# KiCad board imx8x_eps_leviathan.kicad_pcb (continued)
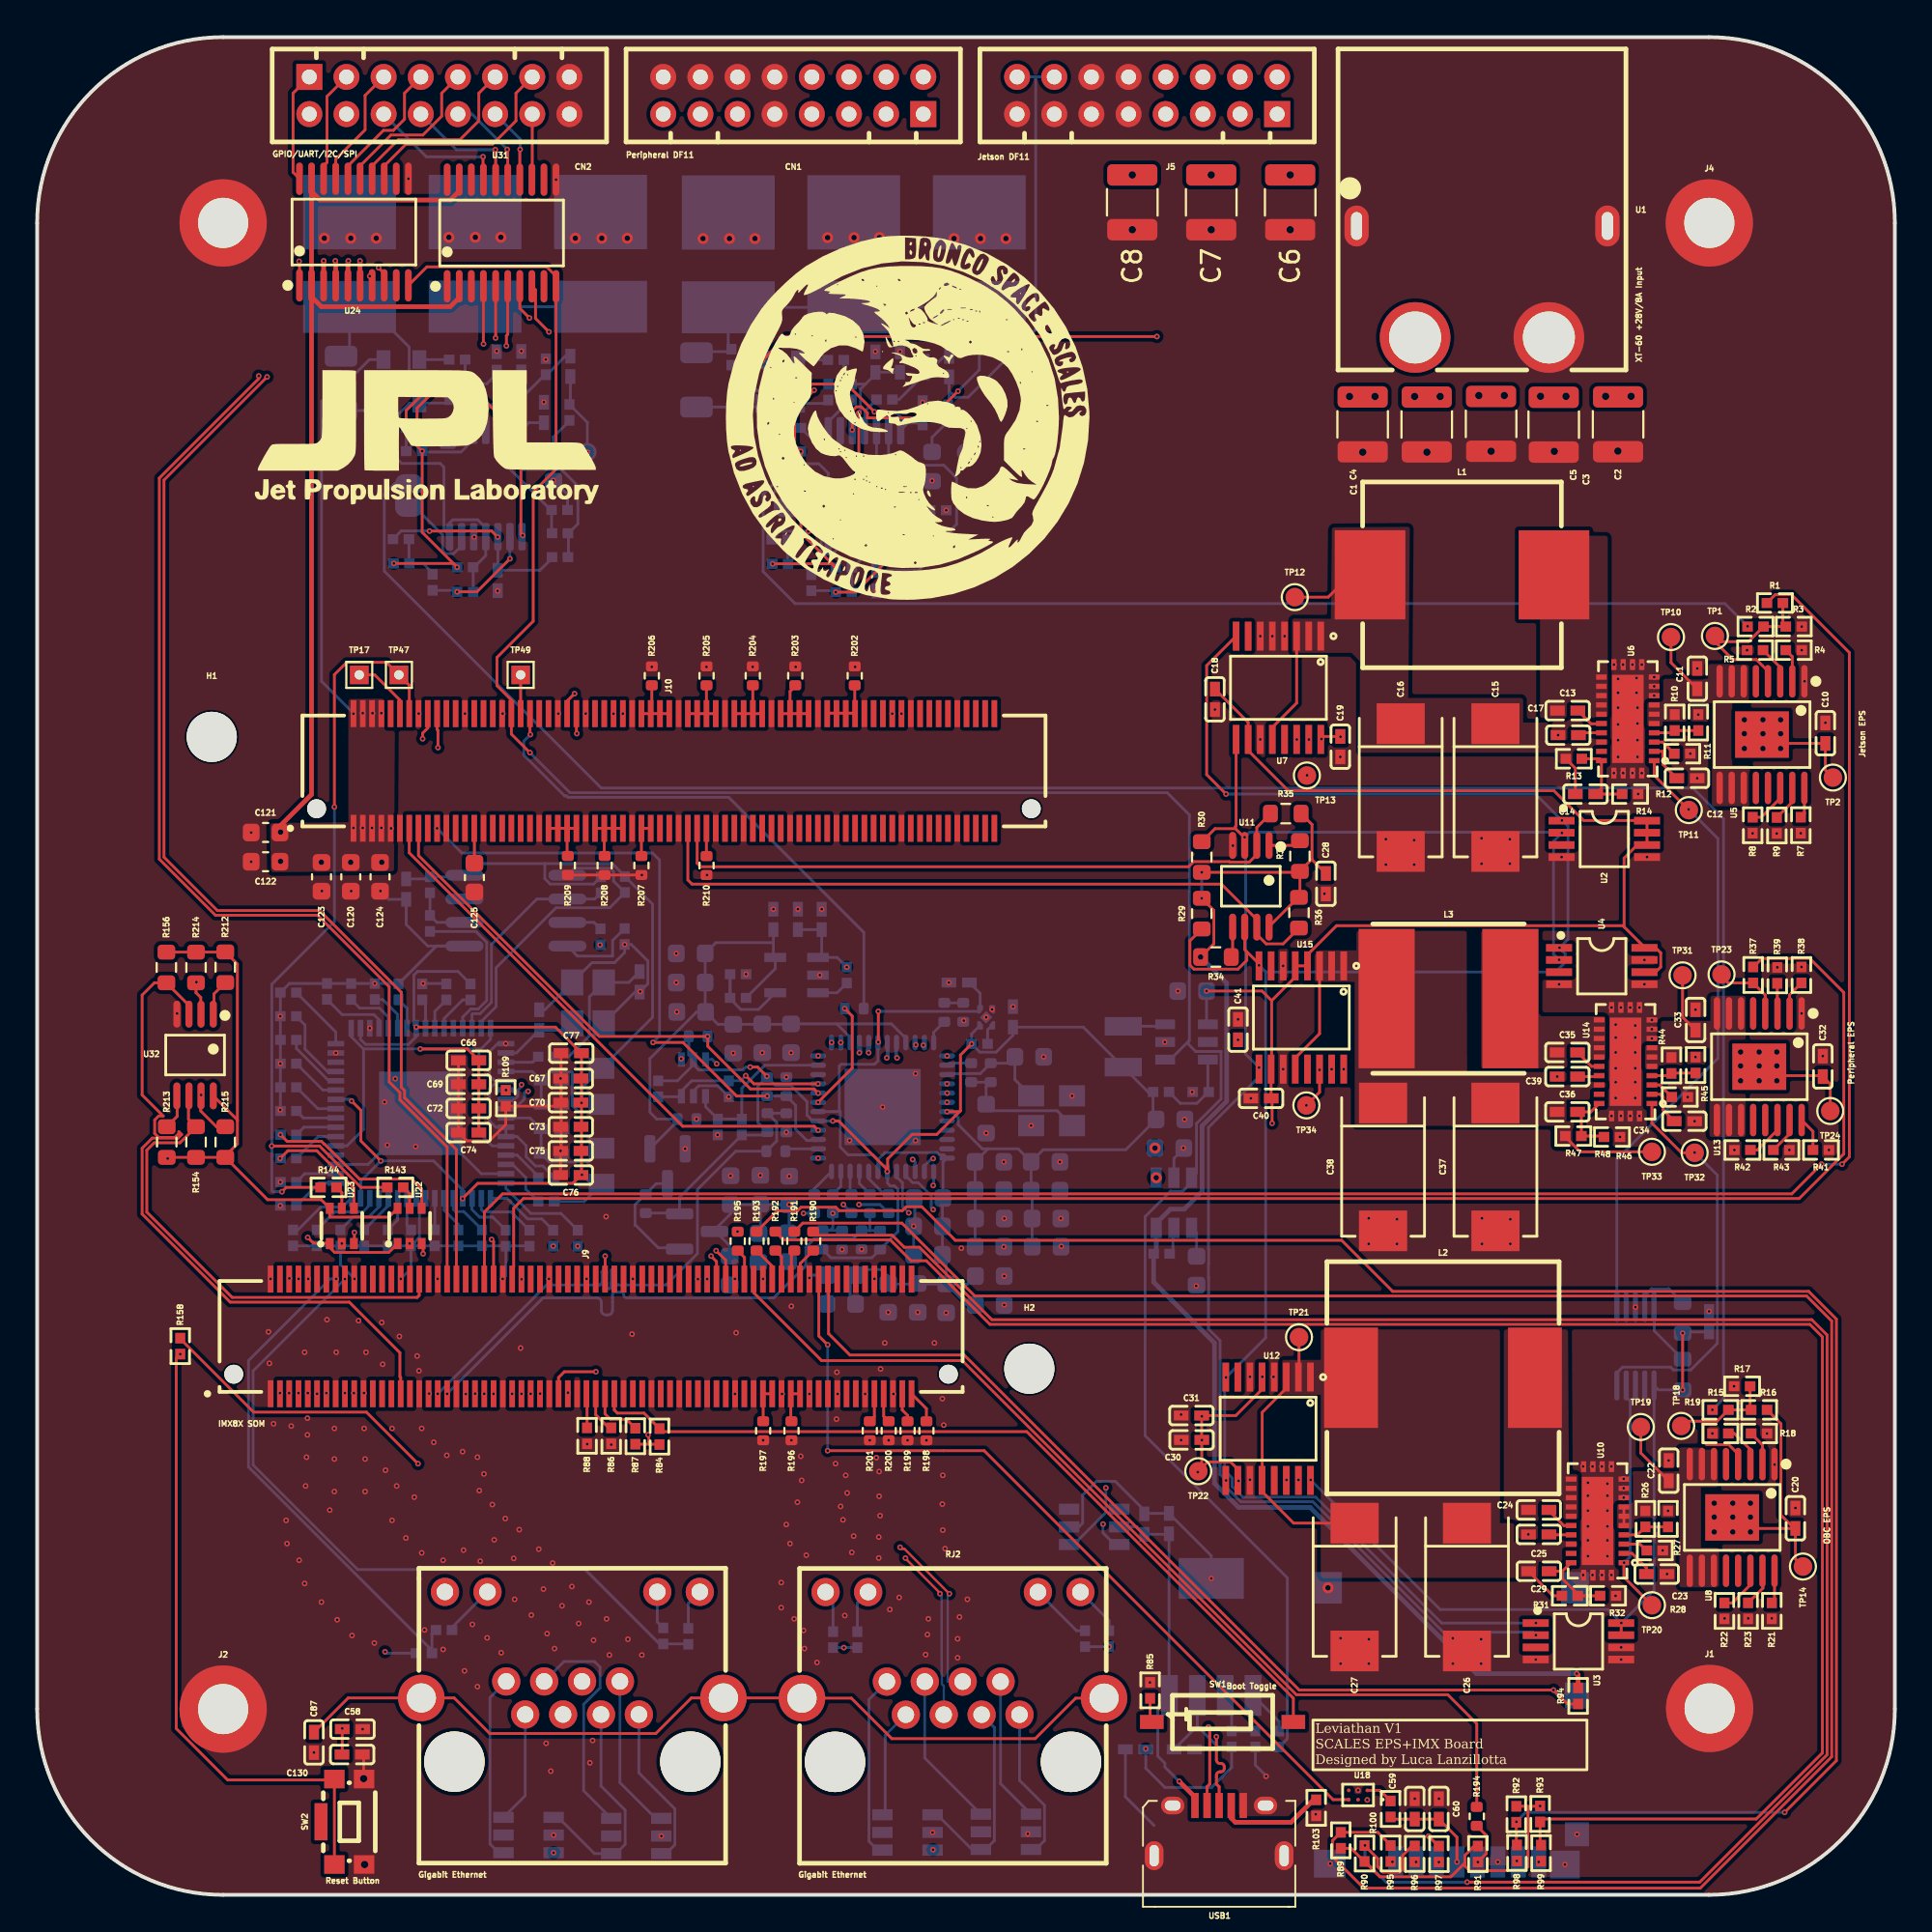
[diagram p0: board, top side]
## Nets (continued)
GND: C1.2 C2.2 C3.2 C4.2 C5.2 C6.2 C7.2 C8.2 C10.2 C11.2 C12.2 C15.2 C16.2 C17.2 C18.2 C19.2 C20.2 C21.2 C22.2 C23.2 C26.2 C27.2 C28.2 C29.2 C30.2 C31.2 C32.2 C33.2 C34.2 C37.2 C38.2 C39.2 C40.2 C41.2 C42.2 C43.2 C44.2 C46.1 C47.1 C48.1 C49.1 C50.2 C51.2 C52.2 C54.1 C55.1 C56.1 C57.1 C58.1 C59.1 C60.1 C61.1 C62.1 C63.1 C64.1 C65.1 C66.1 C67.1 C68.1 C69.1 C70.1 C71.1 C72.1 C73.1 C74.1 C75.1 C76.1 C77.1 C78.1 C79.1 C80.1 C81.1 C82.2 C83.2 C84.2 C85.2 C86.2 C87.2 C88.1 C89.1 C90.2 C91.2 C92.2 C93.2 C94.2 C95.2 C96.2 C97.2 C98.2 C99.2 C100.2 C101.2 C102.2 C103.2 C104.2 C105.2 C106.2 C107.2 C108.2 C109.2 C110.2 C111.2 C112.2 C113.2 C114.2 C115.2 C116.2 C117.2 C118.2 C119.2 C120.2 C121.2 C122.2 C123.2 C124.2 C125.2 C126.2 C127.2 C128.2 C129.2 C130.2 Card1.6 Card1.10 Card1.11 Card1.12 Card1.13 Card1.14 CN1.9 CN1.10 CN1.12 CN1.14 CN1.16 CN2.15 CN2.16 D5.1 D8.1 J1.1 J2.1 J3.1 J4.1 J5.9 J5.10 J5.11 J5.12 J5.13 J5.15 J9.03 J9.06 J9.09 J9.12 J9.13 J9.18 J9.23 J9.24 J9.30 J9.36 J9.39 J9.40 J9.46 J9.49 J9.52 J9.58 J9.61 J9.64 J9.71 J9.74 J9.79 J9.80 J9.89 J9.90 J9.100 J9.103 J9.108 J9.111 J9.120 J9.121 J9.126 J9.131 J9.139 J9.140 J10.09 J10.10 J10.19 J10.22 J10.29 J10.36 J10.39 J10.46 J10.49 J10.56 J10.59 J10.62 J10.69 J10.70 J10.79 J10.80 J10.89 J10.90 J10.95 J10.100 J10.107 J10.112 J10.115 J10.120 J10.125 J10.130 Q2.2 R3.2 R4.1 R5.2 R7.2 R8.2 R9.2 R11.2 R12.2 R14.2 R17.1 R18.1 R19.1 R20.2 R21.2 R22.2 R23.2 R27.2 R28.2 R32.2 R38.1 R39.1 R41.1 R42.1 R43.1 R45.2 R46.2 R48.2 R54.1 R56.1 R72.1 R74.1 R85.1 R86.1 R88.1 R103.1 R105.1 R109.1 R110.1 R115.1 R116.1 R117.1 R118.1 R119.1 R120.1 R121.1 R122.1 R123.1 R124.1 R125.1 R126.1 R127.1 R130.1 R131.1 R132.1 R133.1 R134.1 R135.1 R136.1 R137.1 R138.1 R139.1 R140.1 R141.1 R146.1 R150.2 R153.2 R155.1 R177.2 R180.2 R182.2 R184.2 R187.2 R188.2 R196.1 R197.1 R198.1 R199.1 R200.1 R201.1 R202.1 R203.1 R204.1 R205.1 R206.1 R207.1 R208.1 R209.1 R210.1 SW2.3 SW2.4 TV1.2 TV2.2 TV3.2 TV4.2 TV5.2 U1.1 U1.2 U1.4 U2.4 U2.5 U3.4 U3.5 U3.6 U4.4 U4.5 U4.7 U5.1 U6.8 U6.11 U6.25 U7.4 U7.5 U7.6 U8.1 U9.8 U10.8 U10.11 U10.25 U11.4 U12.4 U12.6 U13.1 U14.8 U14.11 U14.25 U15.6 U16.12 U17.12 U18.B2 U19.5 U20.1 U20.5 U20.10 U20.11 U20.15 U20.25 U20.35 U20.47 U20.51 U20.65 U21.5 U22.2 U23.2 U24.11 U25.49 U26.2 U27.2 U27.5 U28.2 U29.2 U30.2 U31.11 U32.4 USB1.5 USB1.6 Y1.2 Y1.4 Y3.2 Y3.4
GNDPWR: C87.1 RJ1.13 RJ1.14 RJ2.13 RJ2.14
VBUS_DEBUG_USB: C78.2 C79.2 TV1.5 U21.4 USB1.1
VCC_1V8_OUT: J10.127 R143.2 R144.2 TP47.1 U22.1 U23.1
VCC_3V3_OUT: J10.129 TP17.1
VCC_ENET_2V5: C86.1 C91.1 C94.1 C97.1 C100.1 C103.1 C106.1 Q2.1 R157.2 R188.1 U25.3 U25.9 U26.5
VCC_LDO_SD1: J9.33 R89.2 R90.2 R91.2 R92.2 R93.2
VCC_QSPI_1V8: J10.20
VCC_SCU_1V8: J10.93 R84.2 R87.2
VDD_ADC_1V8: C125.1 J10.114
VDD_ETH_1V0: C85.1 C90.1 C93.1 C96.1 C99.1 C102.1 C105.1 C107.1 C109.1 C112.1 C115.1 U25.6 U25.24 U25.31 U25.42 U27.1
+V_Batt: C1.1 C2.1 C3.1 C4.1 C5.1 C10.1 C20.1 C32.1 R16.2 TP2.1 TP14.1 TP24.1 U1.3 U5.17 U8.17 U13.17
/IMX8XQXP SCALES Mariner Carrier Board/Debug USB - UART/DEBUG_USB_DN: TV1.1 U20.7 USB1.2
/IMX8XQXP SCALES Mariner Carrier Board/Debug USB - UART/DEBUG_USB_DP: TV1.6 U20.8 USB1.3
/IMX8XQXP SCALES Mariner Carrier Board/Debug USB - UART/DEBUG_USB_ID: R103.2 USB1.4
/IMX8XQXP SCALES Mariner Carrier Board/Debug USB - UART/FTDI_OSCI: C68.2 U20.2 Y1.3
/IMX8XQXP SCALES Mariner Carrier Board/Debug USB - UART/FTDI_OSCO: C65.2 R111.2 Y1.1
/IMX8XQXP SCALES Mariner Carrier Board/Debug USB - UART/M40_UART0_RX: R128.1 U23.4
/IMX8XQXP SCALES Mariner Carrier Board/Debug USB - UART/M40_UART0_TX: R129.1 U22.4
/SCALES_EPS/Jetson_Subsystem/WD_Jetson/WDT-VIN: R67.2 R68.2 R77.1 R83.1
/SCALES_EPS/Jetson_Subsystem/WD_Jetson/WDT-VP: R71.1 R72.2 U17.5
/SCALES_EPS/OBC_Subsystem/WD_OBC/WDT-VIN: C42.1 C43.1 C44.1 R49.2 R50.2 R59.1 R65.1 U16.3
/SCALES_EPS/OBC_Subsystem/WD_OBC/WDT-VP: R53.1 R54.2 U16.5
ETH1_A_TX_N: RJ2.2 TV4.1 U25.2
ETH1_A_TX_P: RJ2.1 TV4.3 U25.1
ETH1_B_TX_N: RJ2.6 TV4.6 U25.5
ETH1_B_TX_P: RJ2.3 TV4.4 TV5.1 U25.4
ETH1_C_TXCLK_N: RJ2.5 U25.8
ETH1_C_TXCLK_P: RJ2.4 TV5.3 U25.7
ETH1_D_RXDV_N: RJ2.8 TV5.4 U25.11
ETH1_D_RXDV_P: RJ2.7 TV5.6 U25.10
ETH1_LED0: R164.2 R166.2 U28.6
ETH1_LED2: R163.1 R165.1 U28.4
I2C3_USR_SCL: CN2.4 R214.2 U32.2
I2C3_USR_SDA: CN2.2 R215.2 U32.7
LED0_LINK: R152.2 R153.1 U25.47 U28.1
LED2_ACT: R149.2 R150.1 U25.45 U28.3
SCL: R30.2 U2.2 U3.2 U4.2 U7.9 U11.3 U12.9 U15.9
SD1_SPWR: R100.2 U18.B1
SDA: R29.2 U2.1 U3.1 U4.1 U7.8 U11.6 U12.8 U15.8
SYNC_PHASE1: TP20.1 U9.4 U10.1
SYNC_PHASE2: TP32.1 U9.5 U14.1
SYNC_PHASE3: TP11.1 U6.1 U9.6
WD_JETSON: C53.1 J5.14 J5.16 R73.2 TP42.1
X_ADMA_I2C0_SCL: J10.66 R35.2 U11.2
X_ADMA_I2C0_SDA: J10.68 R36.2 U11.7
X_ADMA_I2C3_SCL: J9.112 R156.2 U32.3
X_ADMA_I2C3_SDA: J9.107 R154.2 U32.6
X_ADMA_SPI2_CS0: J9.41 U31.5
X_ADMA_SPI2_CS1: J9.67 U31.4
X_ADMA_SPI2_SCK: J9.43 U31.6
X_ADMA_SPI2_SDI: J9.45 U31.7
X_ADMA_SPI2_SDO: J9.47 U31.8
X_ADMA_UART0_RX: J9.97
X_ADMA_UART0_TX: J9.95
X_ADMA_UART2_RX: J9.99 U24.7
X_ADMA_UART2_TX: J9.101 U24.8
X_BOOT_MODE0: J9.66 R84.1 SW1.2
X_BOOT_MODE1: J9.68 R87.1
X_BOOT_MODE2: J9.70 R86.2
X_BOOT_MODE3: J9.72 R88.2
X_CONN_ENET1_REFCLK: J9.106 U25.18
X_CONN_ENET1_RX_CTL: J9.104 R173.2 R186.2 R187.1
X_CONN_ENET1_RXC: J9.86 R174.2
X_CONN_ENET1_RXD0: J9.102 R169.2 R181.2 R182.1
X_CONN_ENET1_RXD1: J9.94 R170.2
X_CONN_ENET1_RXD2: J9.92 R171.2 R179.2 R180.1
X_CONN_ENET1_RXD3: J9.88 R172.2
X_CONN_ENET1_TX_CTL: J9.84 U25.37
X_CONN_ENET1_TXC: J9.78 U25.29
X_CONN_ENET1_TXD0: J9.96 U25.28
X_CONN_ENET1_TXD1: J9.98 U25.27
X_CONN_ENET1_TXD2: J9.76 U25.26
X_CONN_ENET1_TXD3: J9.82 U25.25
X_CONN_ETH0_MDC: J9.135 U25.16
X_CONN_ETH0_MDIO: J9.133 U25.17
X_CONN_USDHC1_CD_B: Card1.9 J9.19 R94.1
X_CONN_USDHC1_CLK: Card1.5 R91.1 R194.1
X_CONN_USDHC1_CMD: R97.2 R195.1
X_CONN_USDHC1_DATA0: R92.1 R98.2 R193.1
X_CONN_USDHC1_DATA1: R93.1 R99.2 R192.1
X_CONN_USDHC1_DATA2: R89.1 R95.2 R191.1
X_CONN_USDHC1_DATA3: R90.1 R96.2 R190.1
X_CONN_USDHC1_RESET_B: J9.21 U18.A3
X_CONN_USDHC1_VSELECT: J9.15
X_ETH0_A_TX_N: J9.136 RJ1.2 TV2.1
X_ETH0_A_TX_P: J9.138 RJ1.1 TV2.3
X_ETH0_B_TX_N: J9.132 RJ1.6 TV2.6
X_ETH0_B_TX_P: J9.134 RJ1.3 TV2.4 TV3.1
X_ETH0_C_TXCLK_N: J9.128 RJ1.5
X_ETH0_C_TXCLK_P: J9.130 RJ1.4 TV3.3
X_ETH0_D_RXDV_N: J9.122 RJ1.8 TV3.4
X_ETH0_D_RXDV_P: J9.124 RJ1.7 TV3.6
X_ETH0_GPIO0: J9.127
X_ETH0_GPIO1: J9.129
X_ETH0_INT: J9.137
X_ETH0_LED0: J9.123 R160.2 R162.2
X_ETH0_LED1: J9.125 R159.1 R161.1
X_ETH1_GPIO0: J10.122 R183.2 R184.1 U25.39
X_ETH1_GPIO1: J10.128 U25.40
X_ETH1_PHY_INT: J10.126 R167.1 U25.44
X_LSIO_GPIO1_IO09: J10.116
X_LSIO_GPIO1_IO10: J10.118
X_LSIO_GPIO1_IO17: J9.85 U24.1
X_LSIO_GPIO1_IO18: J9.87 R37.2
X_LSIO_GPIO1_IO19: J9.93 R1.1
X_LSIO_GPIO1_IO20: C45.1 J9.91 R55.2 TP36.1
X_LSIO_GPIO1_IO25: J10.23 U24.6
X_LSIO_GPIO1_IO26: J10.21 U24.5
X_LSIO_GPIO1_IO29: J10.81 U24.3
X_LSIO_GPIO1_IO30: J10.83 U24.4
X_M40_UART0_RX: J10.121 R113.1 U23.3
X_M40_UART0_TX: J10.123 R114.1 U22.3
X_PGOOD: J10.105 R145.2 U24.10 U29.3 U30.1 U31.10
X_PMIC_EWARN: J10.109
X_PMIC_INT_B: J10.117
X_PMIC_WDI: J10.119
X_POR_B_1V8: J10.101 R189.2
X_POR_B_3V3: J10.103 TP49.1
X_SCU_PMIC_ON_REQ: J10.111
X_SCU_PMIC_STANDBY: J10.113
~{WD_EN_JETSON}: JP2.2 R2.2
~{WD_EN_OBC}: JP1.2 R15.2
~{X_nRESET_IN}: J10.91 R158.2 SW2.1 SW2.2
Net-(C45-Pad2): C45.2 R56.2 R57.2
Net-(C53-Pad2): C53.2 R74.2 R75.2
Net-(C89-Pad2): C89.2 R168.2 R175.1 Y3.3
Net-(Card1-CD/DAT3): Card1.2 R96.1
Net-(Card1-CMD): Card1.3 R97.1
Net-(Card1-DAT0): Card1.7 R98.1
Net-(Card1-DAT1): Card1.8 R99.1
Net-(Card1-DAT2): Card1.1 R95.1
Net-(Card1-VDD): C59.2 C60.2 Card1.4 R100.1
Net-(D4-C): D4.1 R49.1
Net-(D5-A): D5.2 R55.1
Net-(D6-A): D6.2 R62.2
Net-(D6-C): D6.1 R63.2 R64.2 R65.2 U16.11 U16.14
Net-(D7-C): D7.1 R66.1
Net-(D8-A): D8.2 R73.1
Net-(D9-A): D9.2 R80.2
Net-(D9-C): D9.1 R81.2 R82.2 R83.2 U17.11 U17.14
Net-(J9-A13): J9.25 R190.2
Net-(J9-A14): J9.27 R191.2
Net-(J9-A15): J9.29 R192.2
Net-(J9-A16): J9.31 R193.2
Net-(J9-A18): J9.35 R194.2
Net-(J9-A19): J9.37 R195.2
Net-(J9-B1): J9.02 R198.2
Net-(J9-B2): J9.04 R199.2
Net-(J9-B4): J9.08 R200.2
Net-(J9-B5): J9.10 R201.2
Net-(J9-B13): J9.26 J9.28 R196.2
Net-(J9-B16): J9.32 J9.34 R197.2
Net-(J10-C16): J10.31 J10.33 J10.35 J10.37 R202.2
Net-(J10-C21): J10.41 J10.43 J10.45 J10.47 R203.2
Net-(J10-C26): J10.51 J10.53 J10.55 J10.57 R204.2
Net-(J10-C31): J10.61 J10.63 J10.65 J10.67 R205.2
Net-(J10-C36): J10.71 J10.73 J10.75 J10.77 R206.2
Net-(J10-D32): J10.64 R210.2
Net-(J10-D38): J10.76 J10.78 R207.2
Net-(J10-D41): J10.82 J10.84 J10.86 J10.88 R208.2
Net-(J10-D46): J10.92 J10.94 J10.96 J10.98 R209.2
Net-(JP1-A): JP1.1 U16.13
Net-(JP2-A): JP2.1 U17.13
Net-(Q1-D): C113.1 C114.1 C116.1 C117.1 C118.1 C119.1 Q1.3 U25.13 U25.48
Net-(Q1-G): Q1.1 Q2.3 R185.2
Net-(R9-Pad1): R9.1 U5.15
Net-(R23-Pad1): R23.1 U8.15
Net-(R43-Pad2): R43.2 U13.15
Net-(R50-Pad1): R50.1 R51.2 R61.1
Net-(R58-Pad2): R58.2 U16.2
Net-(R60-Pad2): R60.2 U16.1
Net-(R68-Pad1): R68.1 R69.2 R79.1
Net-(R76-Pad2): R76.2 U17.2
Net-(R78-Pad2): R78.2 U17.1
Net-(R85-Pad2): R85.2 SW1.1
Net-(R176-Pad2): R176.2 R177.1
Net-(RJ1-L-): R160.1 RJ1.9
Net-(RJ1-R-): R159.2 RJ1.11
Net-(RJ2-L-): R164.1 RJ2.9
Net-(RJ2-R-): R163.2 RJ2.11
Net-(U5-DIA_EN): R7.1 U5.16
Net-(U5-EN): R1.2 R2.1 R3.1 TP1.1 U5.4
Net-(U5-LATCH): R5.1 U5.3
Net-(U5-SEL1): R8.1 U5.14
Net-(U5-SNS): R4.2 U5.2
Net-(U5-VOUT): C11.1 R10.1 TP10.1 U5.6 U6.5
Net-(U6-BIAS): C14.1 C15.1 C16.1 L1.2 R13.1 TP12.1 U6.22 U7.1 U7.12
Net-(U6-BST): C13.1 U6.20
Net-(U6-EN/UV): R10.2 R11.1 U6.4
Net-(U6-FB): C14.2 R13.2 R14.1 U6.24
Net-(U6-INTVCC): C17.1 U6.21
Net-(U6-RT): R12.1 U6.3
Net-(U6-SW): C13.2 L1.1 U6.15
Net-(U6-TR/SS): C12.1 U6.2
Net-(U8-DIA_EN): R21.1 U8.16
Net-(U8-EN): R15.1 R16.1 R17.2 TP18.1 U8.4
Net-(U8-LATCH): R19.2 U8.3
Net-(U8-SEL1): R22.1 U8.14
Net-(U8-SNS): R18.2 U8.2
Net-(U9-MOD): R24.2 U9.9
Net-(U9-SET): R25.2 U9.10
Net-(U10-BIAS): C25.1 C26.1 C27.1 L2.2 R31.1 TP21.1 U10.22 U12.1 U12.12
Net-(U10-BST): C24.1 U10.20
Net-(U10-EN/UV): R26.2 R27.1 U10.4
Net-(U10-FB): C25.2 R31.2 R32.1 U10.24
Net-(U10-INTVCC): C29.1 U10.21
Net-(U10-RT): R28.1 U10.3
Net-(U10-SW): C24.2 L2.1 U10.15
Net-(U10-TR/SS): C23.1 U10.2
Net-(U10-VIN): C22.1 R26.1 TP19.1 U8.6 U10.5
Net-(U11-EN): R33.2 U11.1
Net-(U11-READY): R34.2 U11.5
Net-(U13-DIA_EN): R41.2 U13.16
Net-(U13-EN): R37.1 TP23.1 U13.4
Net-(U13-LATCH): R39.2 U13.3
Net-(U13-SEL1): R42.2 U13.14
Net-(U13-SNS): R38.2 U13.2
Net-(U13-VOUT): C33.1 R44.1 TP31.1 U13.6 U14.5
Net-(U14-BIAS): C36.1 C37.1 C38.1 L3.2 R47.1 TP33.1 U14.22 U15.1 U15.12
Net-(U14-BST): C35.1 U14.20
Net-(U14-EN/UV): R44.2 R45.1 U14.4
Net-(U14-FB): C36.2 R47.2 R48.1 U14.24
Net-(U14-INTVCC): C39.1 U14.21
Net-(U14-RT): R46.1 U14.3
Net-(U14-SW): C35.2 L3.1 U14.15
Net-(U14-TR/SS): C34.1 U14.2
Net-(U16A--): R57.1 U16.4
Net-(U16B-+): C46.2 R58.1 R59.2 U16.7
Net-(U16B--): R52.1 R53.2 U16.6
Net-(U16C-+): R61.2 R64.1 U16.9
Net-(U16C--): C47.2 C48.2 R60.1 R62.1 R63.1 U16.8
Net-(U16D--): C49.2 R51.1 R52.2 U16.10
Net-(U17A--): R75.1 U17.4
Net-(U17B-+): C54.2 R76.1 R77.2 U17.7
Net-(U17B--): R70.1 R71.2 U17.6
Net-(U17C-+): R79.2 R82.1 U17.9
Net-(U17C--): C55.2 C56.2 R78.1 R80.1 R81.1 U17.8
Net-(U17D--): C57.2 R69.1 R70.2 U17.10
Net-(U17E-V+): C50.1 C51.1 C52.1 R66.2 R67.1 U17.3
Net-(U19-CS): R104.1 U19.1 U20.63
Net-(U19-DI): R102.1 U19.3
Net-(U19-DO): R105.2 U19.4
Net-(U19-ORG): R107.1 R108.2 U19.6
Net-(U19-SK): R106.1 U19.2 U20.62
Net-(U20-ACBUS0): R120.2 U20.26
Net-(U20-ACBUS1): R121.2 U20.27
Net-(U20-ACBUS2): R122.2 U20.28
Net-(U20-ACBUS3): R123.2 U20.29
Net-(U20-ACBUS4): R124.2 U20.30
Net-(U20-ACBUS5): R125.2 U20.32
Net-(U20-ACBUS6): R126.2 U20.33
Net-(U20-ACBUS7): R127.2 U20.34
Net-(U20-ADBUS0): R113.2 U20.16
Net-(U20-ADBUS1): R114.2 U20.17
Net-(U20-ADBUS2): R115.2 U20.18
Net-(U20-ADBUS3): R116.2 U20.19
Net-(U20-ADBUS4): R117.2 U20.21
Net-(U20-ADBUS5): R118.2 U20.22
Net-(U20-ADBUS6): R119.2 U20.23
Net-(U20-BCBUS0): R135.2 U20.48
Net-(U20-BCBUS1): R136.2 U20.52
Net-(U20-BCBUS2): R137.2 U20.53
Net-(U20-BCBUS3): R138.2 U20.54
Net-(U20-BCBUS4): R139.2 U20.55
Net-(U20-BCBUS5): R140.2 U20.57
Net-(U20-BCBUS6): R141.2 U20.58
Net-(U20-BCBUS7): R142.2 U20.59
Net-(U20-BDBUS0): R128.2 U20.38
Net-(U20-BDBUS1): R129.2 U20.39
Net-(U20-BDBUS2): R130.2 U20.40
Net-(U20-BDBUS3): R131.2 U20.41
Net-(U20-BDBUS4): R132.2 U20.43
Net-(U20-BDBUS5): R133.2 U20.44
Net-(U20-BDBUS6): R134.2 U20.45
Net-(U20-EEDATA): R108.1 U20.61
Net-(U20-OSCO): R111.1 U20.3
Net-(U20-REF): R109.2 U20.6
Net-(U20-TEST): R110.2 U20.13
Net-(U20-VPHY): C62.2 C64.2 L5.2 U20.4
Net-(U20-VPLL): C61.2 C63.2 L4.2 U20.9
Net-(U20-~{RESET}): R112.1 U20.14
Net-(U21-ADJ): R146.2 R147.2 U21.2
Net-(U21-EN): R145.1 U21.1
Net-(U22-OE): R143.1 U22.5
Net-(U23-OE): R144.1 U23.5
Net-(U24-B1): CN2.1 U24.20
Net-(U24-B2): CN2.3 U24.18
Net-(U24-B3): CN2.5 U24.17
Net-(U24-B4): CN2.7 U24.16
Net-(U24-B5): CN2.9 U24.15
Net-(U24-B6): CN2.11 U24.14
Net-(U24-B7): CN2.13 U24.13
Net-(U25-RBIAS): R176.1 U25.12
Net-(U25-RESET_N): R189.1 U25.43
Net-(U25-RX_CLK): R174.1 U25.32
Net-(U25-RX_CTRL): R173.1 U25.38
Net-(U25-RX_D0): R169.1 U25.33
Net-(U25-RX_D1): R170.1 U25.34
Net-(U25-RX_D2): R171.1 U25.35
Net-(U25-RX_D3): R172.1 U25.36
Net-(U25-X_I): C88.2 R168.1 U25.15 Y3.1
Net-(U25-X_O): R175.2 U25.14
Net-(U26-ADJ): R155.2 R157.1 U26.4
Net-(U26-EN): R148.2 U26.3
Net-(U27-EN): R151.2 U27.3
Net-(U29-CT): C127.1 U29.4
Net-(U29-QOD): R211.2 U29.5
Net-(U30-FB): R6.2 R20.1 U30.6
Net-(U30-SW): L6.1 U30.3
Net-(U31-B3): CN2.6 U31.17
Net-(U31-B4): CN2.8 U31.16
Net-(U31-B5): CN2.10 U31.15
Net-(U31-B6): CN2.12 U31.14
Net-(U31-B7): CN2.14 U31.13
Net-(U32-EN): R212.2 U32.1
Net-(U32-READY): R213.2 U32.5

Pads without a net: CN1 11 13 15; J9 01 05 07 11 14 16 17 20 22 38 42 44 48 50 51 53 54 55 56 57 59 60 62 63 65 69 73 75 77 81 83 105 109 110 113 114 115 116 117 118 119; J10 01 02 03 04 05 06 07 08 11 12 13 14 15 16 17 18 24 25 26 27 28 30 32 34 38 40 42 44 48 50 52 54 58 60 72 74 85 87 97 99 102 104 106 108 110 124 131; SW2 5; TV1 3 4; TV2 5; TV3 5; TV4 5; TV5 5; U2 3; U3 3; U4 3; U5 5 12 13; U6 23; U7 7 13; U8 5 12 13; U9 2 3 7; U10 23; U12 7 13; U13 5 12 13; U14 23; U15 7 13; U18 A2 B3; U19 7; U20 24 36 46 60; U24 9 12; U25 20 21 22 23 46; U30 5; U31 1 3 9 12 18 20

## Via types
v1: diameter 0.3, hole 0.15, SIG1 to SIG3, 699 vias
v2: diameter 0.6, hole 0.3, SIG1 to SIG3, 54 vias
v3: diameter 0.8, hole 0.4, SIG1 to SIG3, 23 vias

## Routing (per net, layer and track width the routed paths; a pad name or vN(x,y) marks a point on that pad's centre or on a via; arc(x,y) is an arc through that point)
1V8_FTDI: length 28.8
  SIG1 w0.15: v1(20.63,45.53) 23.16,45.53 C66.2 C74.2
  SIG3 w0.15: 17.57,45.53 16.91,46.2 U20.49 ; 17.57,45.53 23.89,45.53 ; 17.57,45.53 17.57,41.21 16.68,40.32 16.08,40.32 ; 23.89,45.53 23.78,45.42 C74.2 24.49,40.32 U20.12 ; 23.89,45.53 24.41,46.05 U20.64
3V3_FTDI: length 155.2
  SIG1 w0.15: v1(18.5,39.51) 17.43,40.58 17.43,42.23 v1(16.93,42.73) ; v1(20.4,46.71) 27.9,46.71 C77.2 v1(29.3,42.63) 29.3,38.77 C76.2 28.83,38.3 23.72,38.3 v1(22.9,37.48)
  SIG2 w0.15: v1(59.68,7.86) 56.28,4.46 41.31,4.46 39.08,6.69 39.08,14.23 30.58,22.73 30.58,24.42 25.7,29.3 25.7,34.68 v1(22.9,37.48)
  SIG3 w0.15: 16.08,42.82 16.84,42.82 v1(16.93,42.73) ; 27.33,55.51 27.33,54.7 27.62,54.41 29.96,54.41 R106.2 ; 27.33,55.51 23.63,55.51 U19.8 22.92,54.8 R107.2 21.03,54.69 C71.2 ; 27.33,55.51 30.96,55.51 31.64,54.83 R104.2 33.13,53.33 33.13,47.24 L5.1 29.3,43.42 v1(29.3,42.63) ; R112.2 29.45,37.32 L4.1 29.83,38.25 v1(29.33,38.76) ; R142.1 22.65,49.71 20.47,49.71 20.28,49.51 20.28,46.83 v1(20.4,46.71) ; U20.56 20.41,46.2 19.99,45.78 17.67,45.78 17.41,46.05 U20.50 ; U20.31 17.43,37.51 17.43,38.43 v1(18.5,39.51) 21.34,39.51 22.91,37.94 U20.20 ; 62.45,9.08 63.58,7.96 R147.1 64.3,6.86 63.23,5.78 60.71,5.78 59.68,6.81 59.68,7.83 ; 62.45,9.08 C81.2 ; 62.45,9.08 62.45,10.73
+1.8V_OBC_Perif: length 86.9
  SIG1 w0.15: v1(45.76,38.94) 45.78,38.96 ; 45.78,38.96 45.78,39.61 47.1,40.93 48.43,40.93 49.7,42.21 ; 45.78,38.96 45.78,39.02 43.14,41.66 v1(42.83,41.66) ; v1(50.3,45.81) 49.7,45.21 49.7,42.21 ; 49.7,42.21 49.65,42.16 v1(48.98,42.16) ; v1(39.28,44.06) 38.78,44.56 v1(38.38,44.56)
  SIG3 w0.15: 51.19,40.16 50.88,40.16 49.58,41.46 49.58,41.84 49.27,42.16 v1(48.98,42.16) ; 51.19,40.16 C101.1 C92.1 ; 51.19,40.16 52.81,40.16 C111.1 ; Q1.2 34.58,37.55 R152.1 39.15,40.9 R186.1 38.8,41.57 38.8,43.52 R183.1 39.74,43.57 40.57,43.57 41.44,42.7 41.44,41.97 41.76,41.66 U25.41 v1(42.83,41.66) ; v1(38.38,44.56) 38.15,44.56 37.99,44.4 35.62,44.4 35.33,44.69 ; U27.4 50.3,46.35 v1(50.3,45.81) 50.75,45.36 51.62,45.36 52.53,46.27 C84.1 56.31,46.71 L6.2 59.8,43.22 R6.1 60.07,41.91 C129.1 58.6,40.11 54.16,40.11 C111.1 ; R149.1 34.46,43.82 35.33,44.69 ; 34.57,36.73 34.55,36.7 R185.1 ; C111.1 C110.1 53.56,37.86 C108.1 53.56,34.9 C104.1 ; R167.2 35.07,45.23 U28.5 35.33,44.69 ; v1(45.76,38.94) 45.78,38.92 45.78,38.3 45.92,38.16 46.15,38.16 46.33,37.99 46.33,35.69 R181.1 44.93,34.29 42.73,34.29 R179.1
+3.3V_OBC: length 214.7
  SIG1 w0.15: v1(62.95,48.65) 65.93,48.65 66.45,48.14 ; U15.4 68.38,50.61 69.95,52.17 85.37,52.17 85.43,52.11 ; U15.10 66.42,42.89 C40.1 ; U12.5 65.93,27.21 64.53,25.8 C31.1 62.68,24.5 C30.1 62.69,22.99 TP22.1 63,23.3 64.24,23.3 64.63,22.91 U12.10 ; 66.45,48.14 67.72,49.41 U15.5 68.4,50.01 68.4,50.01 ; 66.45,48.14 66.45,44.48 ; 86.63,57.83 83.25,57.83 81.65,59.43 67.35,59.43 65.19,61.6 U7.10 65.19,63.12 C18.1 ; v1(88.58,27.18) v1(88.58,30.23) ; 85.43,52.11 85.43,55.81 86.1,56.48 86.6,56.48 ; 85.43,52.11 86.58,50.96 87.15,50.96 87.4,50.71 87.4,49.95 87.11,49.66 86.53,49.66 ; R158.1 7.7,29.93 11.65,25.98 17.73,25.98 v1(20.5,23.21) ; v1(66.48,41.53) 66.48,42.78 66.4,42.86 ; U2.8 U2.6 ; U3.7 U3.8
  SIG1 w0.25: v2(13.1,57.21) 13.1,57.56 14.77,59.23 U24.2 ; U31.19 22.72,91.71 22.24,91.23 15.23,91.23 14.77,91.69 U24.19 U24.2 ; U24.2 14.77,86.01 15.29,85.49 22.24,85.49 22.72,85.97 U31.2
  SIG3 w0.15: 88.61,30.27 88.64,30.3 C21.1 ; v1(62.95,48.65) 62.95,46.84 62.94,46.82 ; v1(68.55,22.33) 75.53,15.36 84.55,15.36 v1(85.28,14.63) 87.04,16.39 U9.1 ; 87.05,27.41 87.28,27.18 v1(88.58,27.18) ; D4.2 17.89,82.64 17.2,81.96 16.87,81.96 15.31,80.39 15.31,65.33 17.05,63.58
  vias: v1(17.03,63.58) v1(17.03,57.43) v1(17.53,63.61) v1(17.53,57.43) v1(18.05,63.61) v1(18.03,57.43) v1(18.53,63.61) v1(18.53,57.43) v1(19.05,57.41) v1(30.3,51.13) v1(62.48,22.76) v1(62.7,25.76) v1(62.7,24.48) v1(64.68,22.28) v1(65.95,27.88) v1(67.25,22.33) v1(67.9,22.33) v2(13.1,55.63) v2(15.3,55.58) v2(16.88,55.58) v2(18.55,55.58) v2(60.18,40.2) v2(60.24,38.6)
+3.3V_OBC_Perif: length 288.5
  SIG1 w0.15: R215.1 12.4,37.42 15.29,37.42 U23.6 15.75,36.51 15.78,36.48 18.93,36.48 U22.6 ; 16.4,7.56 C130.1 16.42,7.57 C58.2 ; R213.1 10.05,39.7 10.78,40.42 10.78,41.66 ; v1(62.69,55.04) 67.92,55.04 R33.1 67.97,53.73 ; U11.8 66.31,52.12 67.92,53.73 ; R35.1 68.63,57.62 68.63,55.76 67.97,55.11 ; v1(62.69,53.64) 63.34,52.99 63.34,51.2 v2(62.63,50.48) ; 10.78,41.66 10.78,41.71 9.47,43.02 ; 10.78,41.66 10.78,50.11 R212.1 ; C28.1 68.63,55.72 ; R156.1 10.18,50.75
  SIG1 w0.25: R94.2 82.95,11.83 v1(82.88,11.91)
  PWR w0.15: 52.25,5.11 53.85,6.71 53.85,16.28 RJ2.10 ; 38.93,10.36 42.44,13.88 RJ2.12 ; 38.93,10.36 38.93,4.93 ; 38.93,10.36 38.93,10.76 RJ1.10
  PWR w0.25: RJ1.12 16.43,10.78 ; 16.43,10.78 v1(16.43,8.96) 20.28,5.11 52.25,5.11 53.53,3.83 70.33,3.83 v1(71.6,5.11) 78.4,11.91 v1(82.88,11.91) ; 16.43,10.78 7.03,20.18 v1(7.03,39.63)
  SIG2 w0.15: v2(62.63,50.48) 62.08,49.94 v1(43.58,49.94)
  SIG3 w0.15: R165.2 42.84,15.9 RJ2.12 ; C83.1 C82.1 42.23,50.66 U26.1 43.06,50.46 v1(43.58,49.94) ; v1(62.69,55.04) v1(62.69,53.64) ; v1(18.73,13.08) 18.8,13.01 R161.2 ; RJ2.10 55.95,14.22 R166.1 ; RJ1.10 33.38,14.69 R162.1
  SIG3 w0.25: v1(82.88,11.91) 77.48,11.91 68.53,20.86 64.67,20.86 63.37,22.16 63.37,29.71 60.1,32.98 R211.1 60.24,34.65 U29.6 60.24,36.15 61,36.91 61.75,36.91 62.71,37.87 62.71,41.4 64.03,42.72 64.03,49.08 v2(62.63,50.48)
+5V_Perif: length 2.2
  SIG1 w0.15: U15.14 v1(69.03,44.41) 69.03,43.21 v1(68.32,42.5)
  vias: v1(64.64,46.03) v1(69.68,44.45) v1(70.33,44.45)
+20V_Jetson: length 22.9
  SIG1 w0.15: v1(60.28,83.88) 40.33,83.88 v1(39.05,82.61) ; C19.1 69.26,62.36 U7.14
  vias: v1(67.81,62.19) v1(68.36,60.27) v1(68.46,62.19) v1(69.13,62.22) v1(70.16,62.34) v3(58.95,92.58) v3(63.2,92.58) v3(67.45,92.58)
GND: length 137.5
  SIG1 w0.15: v3(17.58,6.26) 17.58,7.45 17.53,7.5 ; C66.1 C74.1 23.12,40.59 24.35,40.59 25.23,41.47 25.23,42.45 27.98,42.45 C70.1 ; C77.1 28.2,40.07 v1(28.18,40.05) C76.1 ; R209.1 30.55,54.9 ; R208.1 R207.1
  SIG3 w0.15: v1(63.2,17.03) 63.2,18.26 C78.1 59.63,20.53 C79.1 59.6,20.69 58.04,22.26 57.02,22.26 56.28,21.52 56.28,20.01 56.08,19.81 TV1.2 ; C80.1 58.58,5.28 60.13,3.73 ; R141.1 22,49.06 v1(20.78,49.06) ; Y1.2 32.18,48.6 C65.1 v1(32.46,48.63) 32.88,49.04 32.88,50.27 31.98,51.16 v1(31.63,51.16) 31.63,50.73 31.08,50.18 29.87,50.18 Y1.4 27.33,47.65 C68.1 ; U20.5 24.64,43.82 24.35,44.11 24.35,45.39 24.78,45.82 v1(25.23,45.82) U20.1 25.24,45.86 ; C115.2 42.53,31.83 C112.2 41.72,33.36 v1(41.57,33.21) ; v1(18.48,54.03) 18.93,53.59 C71.1 19.87,52.23 21.02,51.08 U19.5 21.49,51.08 R139.1 19.43,49.06 v1(18.18,49.06) R136.1 13.58,49.06 R135.1 13.09,42.2 ; U28.2 35.35,43.01 35.35,43.29 35.62,43.55 36.64,43.55 v1(37.23,42.96) ; v1(25.06,33.16) 25.23,33.32 R116.1 ; v1(27.79,76.14) 28.55,75.38 R54.1 ; C62.1 C61.1 ; 13.09,42.2 R130.1 ; 13.09,42.2 v1(13.09,42.26) ; v1(20.38,40.28) 22.44,40.28 23.91,38.82 U20.15 ; 16.08,39.32 17.81,39.32 v1(18.85,40.36) ; U20.25 20.58,37.32 20.58,35.39 R120.1 20.13,33.71 v1(19.57,33.16) ; R125.1 26.49,34.94 R115.1 ; 61.75,40.2 61.19,39.64 U29.2 ; 66.13,6.43 65.58,6.98 R146.1 ; v1(17.09,33.16) 16.33,33.92 R123.1 ; 27.84,38.62 27.22,39.23 26.82,39.23 26.33,39.73 26.33,40.33 25.84,40.82 U20.11 U20.10 24.69,41.32 24.35,41.66 24.35,43.39 24.78,43.82 ; C105.2 47.24,37.47 47.24,36.05 v1(47.18,35.99) C109.2
  SIG3 w0.25: Card1.14 83.22,16.97 v1(83.22,17.22)
  vias: v1(7.54,47.44) v1(11.52,57.18) v1(11.52,55.61) v1(12.45,30.31) v1(12.56,33.16) v1(12.5,28.61) v1(12.73,25.36) v1(13.09,47.3) v1(13.1,44.75) v1(13.1,38.37) v1(13.09,37.1) v1(13.4,20.16) v1(13.45,18.91) v1(13.68,25.23) v1(14.1,18.01) v1(14.4,29.21) v1(14.4,16.76) v1(14.45,22.01) v1(14.6,33.16) v1(14.55,25.66) v1(14.55,24.76) v1(14.5,23.56) v1(14.9,7.66) v1(15.33,54.03) v1(15.3,15.76) v1(15.6,30.96) v1(15.75,20.71) v1(16.08,45.32) v1(16,25.11) v1(16,23.46) v1(16,21.71) v1(16.1,29.21) v1(16.15,14.81) v1(16.4,35.06) v1(16.91,54.03) v1(16.95,13.96) v1(17.3,30.91) v1(17.59,27.01) v1(17.6,25.11) v1(17.52,8.92) v1(17.7,29.21) v1(17.65,23.46) v1(17.65,21.71) v1(17.91,46.65) v1(18.15,13.56) v1(18.55,30.81) v1(18.6,28.56) v1(18.7,42.68) v1(18.75,22.86) v1(19.1,25.11) v1(19.1,20.16) v1(19.28,43.93) v1(19.35,22.01) v1(19.5,30.06) v1(19.85,19.21) v1(19.98,92.38) v1(20.05,35.06) v1(20.3,21.41) v1(20.45,29.01) v1(20.54,63.59) v1(20.55,28.21) v1(20.55,17.01) v1(20.7,25.11) v1(20.7,18.41) v1(20.85,14.26) v1(21.35,24.36) v1(21.56,33.16) v1(21.85,18.01) v1(21.85,13.21) v1(22.05,23.66) v1(22.9,23.86) v1(22.95,18.56) v1(23.03,63.59) v1(23,12.06) v1(23.43,14.56) v1(23.52,73.09) v1(23.7,23.56) v1(23.7,11.21) v1(23.8,21.76) v1(23.85,17.96) v1(24.05,22.66) v1(24.23,13.83) v1(24.5,21.01) v1(24.6,19.11) v1(24.74,83.1) v1(24.79,70.2) v1(24.98,13.03) v1(25.06,63.59) v1(25.2,20.26) v1(25.65,18.11) v1(25.7,15.91) v1(25.95,19.66) v1(26.06,83.1) v1(26.03,29.43) v1(26.6,15.06) v1(27,18.61) v1(27.28,80.36) v1(27.25,16.46) v1(27.38,82.64) v1(27.4,8.16) v1(27.45,14.06) v1(27.55,33.16) v1(27.65,6.66) v1(27.75,17.86) v1(27.85,13.26) v1(27.8,3.22) v1(27.93,92.33) v1(28.06,63.59) v1(28.18,43.95) v1(28.25,15.56) v1(28.79,16.6) v1(29.15,14.61) v1(29.53,63.59) v1(29.58,33.16) v1(29.61,24.26) v1(29.7,15.76) v1(29.75,7.11) v1(29.9,8.31) v1(29.95,13.71) v1(30.63,36.51) v1(30.65,14.86) v1(30.8,12.91) v1(30.9,24.23) v1(31.8,13.76) v1(32.07,33.16) v1(32.03,30.18) v1(32.55,54.9) v1(32.55,12.91) v1(33.08,66.1) v1(33.6,3.17) v1(34.41,50.68) v1(34.41,49.11) v1(34.43,47.53) v1(34.88,40.16) v1(35.49,41.76) v1(36.03,66.1) v1(36.06,54.9) v1(36.63,40.91) v1(37.33,38.71) v1(37.47,45.31) v1(37.56,33.16) v1(37.56,26.96) v1(37.63,30.26) v1(38.16,49.56) v1(38.52,66.1) v1(38.93,38.73) v1(39.03,45.33) v1(39.08,24.47) v1(39.63,53.06) v1(40.1,26.96) v1(40.05,16.81) v1(40.05,15.46) v1(40.33,44.02) v1(40.33,41.05) v1(40.33,19.93) v1(40.48,38.68) v1(40.58,45.33) v1(40.6,31.68) v1(40.53,18.91) v1(40.61,24.47) v1(40.75,14.86) v1(40.83,66.1) v1(40.95,53.06) v1(40.93,21.13) v1(41.1,23.61) v1(41.15,22.31) v1(41.25,14.23) v1(41.3,13.26) v1(41.4,18.28) v1(41.57,26.96) v1(41.98,12.51) v1(42.13,49.51) v1(42.23,53.06) v1(42.98,23.21) v1(43.05,28.13) v1(43.1,26.96) v1(43.03,25.61) v1(43.25,20.91) v1(43.33,34.74) v1(43.38,20.18) v1(43.48,15.03) v1(43.53,22.58) v1(43.6,21.63) v1(43.73,40.61) v1(43.85,18.43) v1(43.91,73.07) v1(43.95,19.31) v1(44.03,66.1) v1(44.38,34.75) v1(44.57,26.96) v1(44.82,24.47) v1(45.08,33.16) v1(45.13,83.08) v1(45.18,70.18) v1(45.18,23.53) v1(45.3,19.26) v1(45.3,18.13) v1(45.33,22.78) v1(45.33,21.46) v1(45.38,20.41) v1(45.4,28.31) v1(45.51,42.41) v1(45.63,29.71) v1(45.81,31.36) v1(45.84,24.47) v1(45.9,15.36) v1(46.09,26.96) v1(46.45,83.08) v1(46.4,16.01) v1(46.85,24.47) v1(47.28,44.21) v1(47.28,40.61) v1(47.4,31.36) v1(47.67,80.34) v1(47.77,82.62) v1(47.87,24.47) v1(47.83,12.93) v1(47.98,14.86) v1(47.93,14.01) v1(48.17,76.12) v1(48.2,3.36) v1(48.3,29.71) v1(48.73,26.71) v1(48.8,25.28) v1(48.75,22.58) v1(48.73,21.03) v1(48.75,19.63) v1(48.88,18.63) v1(48.94,74.53) v1(48.93,31.33) v1(49.08,49.11) v1(49.55,13.78) v1(49.55,12.76) v1(49.65,14.96) v1(49.75,34.81) v1(49.88,47.06) v1(50.08,15.91) v1(51.08,47.24) v1(51.08,41.01) v1(51.4,47.67) v1(52.04,39.46) v1(52.06,36.41) v1(52.04,34.89) v1(52.06,33.31) v1(52.06,31.76) v1(52.53,47.81) v1(53.33,3.28) v1(53.51,41.41) v1(54.18,45.11) v1(55.06,39.46) v1(55.11,36.41) v1(55.13,34.91) v1(55.71,43.01) v1(59.9,11.43) v1(60.7,45.91) v1(61.41,48.65) v1(61.58,25.85) v1(61.58,24.48) v1(61.7,40.2) v1(61.77,41.74) v1(62.17,43.22) v1(62.28,7.86) v1(62.39,32.78) v1(63.4,63.81) v1(64.37,56.48) v1(64.64,47.13) v1(65.28,27.88) v1(65.28,22.35) v1(65.33,42.88) v1(65.84,67.76) v1(65.84,62.2) v1(66.15,6.38) v1(66.49,67.76) v1(66.55,27.88) v1(67.07,50.01) v1(67.07,44.45) v1(67.15,67.76) v1(68.83,4.33) v1(69.3,53.89) v1(69.61,1.67) v1(70.15,61.26) v1(70.16,13.81) v1(70.16,12.44) v1(71.11,5.62) v1(71.68,36.42) v1(71.68,35.04) v1(71.69,13.76) v1(71.69,12.44) v1(72.6,56.83) v1(72.6,55.46) v1(73.2,36.36) v1(73.2,35.04) v1(74.12,56.78) v1(74.12,55.46) v1(74.16,5.17) v1(75.46,5.17) v1(76.21,13.81) v1(76.21,12.44) v1(77.75,56.88) v1(77.75,55.51) v1(77.78,36.42) v1(77.78,35.04) v1(77.73,13.76) v1(77.73,12.44) v1(78.63,1.77) v1(79.27,56.83) v1(79.27,55.51) v1(79.3,36.36) v1(79.3,35.04) v1(80.27,19.4) v1(80.67,12.67) v1(81.87,62.43) v1(81.82,44.05) v1(81.92,49.02) v1(82.06,55.86) v1(82.24,1.63) v1(82.89,3.26) v1(83.22,23.06) v1(83.48,22.18) v1(83.48,21.48) v1(83.48,20.68) v1(83.48,19.83) v1(83.48,19.08) v1(83.48,18.23) v1(83.72,23.06) v1(83.72,17.22) v1(84.23,23.06) v1(84.23,17.22) v1(84.53,22.13) v1(84.53,21.48) v1(84.53,20.68) v1(84.53,19.83) v1(84.53,19.08) v1(84.53,18.23) v1(84.75,47.77) v1(84.75,41.93) v1(84.74,23.06) v1(84.74,17.22) v1(84.88,66.22) v1(84.88,60.38) v1(84.97,46.85) v1(84.97,46.15) v1(84.97,45.35) v1(84.97,44.5) v1(84.97,43.75) v1(84.97,42.9) v1(84.97,16.1) v1(85.1,65.46) v1(85.1,64.71) v1(85.1,63.91) v1(85.1,63.01) v1(85.1,62.16) v1(85.1,61.26) v1(85.25,47.77) v1(85.25,41.93) v1(85.2,40.8) v1(85.27,13.32) v1(85.27,12.67) v1(85.38,66.22) v1(85.38,60.38) v1(85.4,22.4) v1(85.4,21.89) v1(85.4,21.38) v1(85.75,47.77) v1(85.75,41.93) v1(85.88,66.22) v1(85.88,60.38) v1(86.1,65.51) v1(86.1,64.71) v1(86.02,46.8) v1(86.02,46.15) v1(86.02,45.35) v1(86.02,44.5) v1(86.02,43.75) v1(86.02,42.9) v1(86.04,31.64) v1(86.15,63.91) v1(86.15,63.06) v1(86.15,62.16) v1(86.15,61.26) v1(86.18,59.26) v1(86.25,47.77) v1(86.25,41.93) v1(86.38,66.22) v1(86.38,60.38) v1(86.52,50.33) v1(86.52,49.02) v1(86.66,55.86) v1(86.92,47.1) v1(86.92,46.6) v1(86.92,46.1) v1(87.05,65.55) v1(87.05,65.05) v1(87.05,64.55) v1(87.51,18.54) v1(87.79,20.67) v1(87.74,17.27) v1(87.83,23.38) v1(88.85,42.95) v1(88.99,61.43) v1(89.27,47.65) v1(89.27,45.1) v1(89.22,41.65) v1(89.37,66.02) v1(89.36,60.11) v1(89.42,63.54) v1(90,31.41) v1(90.18,24.84) v1(90.84,14.88) v1(91.36,40.1) v1(91.34,27.38) v1(92.04,67) v1(92.11,14.88) v1(92.35,57.14) v1(93.12,24.84) v1(93.38,14.88) v1(93.53,23.16) v1(93.65,57.13) v1(93.67,49.93) v1(94.32,40.1) v1(94.65,20.82) v1(94.99,68.27) v1(94.99,67) v1(94.94,57.15) v1(94.97,49.95) v1(94.98,47.45) v1(95.14,65.33) v1(96.12,45.15) v1(96.26,63.09) v1(96.45,40.1) v2(15.46,89.18) v2(16.88,89.18) v2(18.25,89.18) v2(22.16,89.23) v2(23.59,89.23) v2(24.96,89.23) v2(28.97,89.18) v2(30.39,89.18) v2(31.77,89.18) v2(35.84,89.16) v2(37.27,89.16) v2(38.64,89.16) v2(42.55,89.21) v2(43.97,89.21) v2(45.34,89.21) v2(49.36,89.16) v2(50.78,89.16) v2(52.15,89.16) v2(69.49,16.53) v3(17.63,1.63) v3(58.95,89.63) v3(63.2,89.63) v3(67.45,89.63) v3(71.36,77.66) v3(74.81,77.66) v3(78.27,77.71) v3(81.67,77.71) v3(85.09,77.72)